# Altium PCB F1_MODULE.PcbDoc (part 1 of 2)
Units mm, origin at the board's own origin, x right, y up, seen from the top; angles counter-clockwise.
Board outline 39.37 x 52.07 mm, 4 copper layers (L1 (Sig), L2 (GND), L3 (PWR), L4 (Sig)), stack 1.57 mm thick; 89 components, 73 nets, 279 pads, 144 vias.
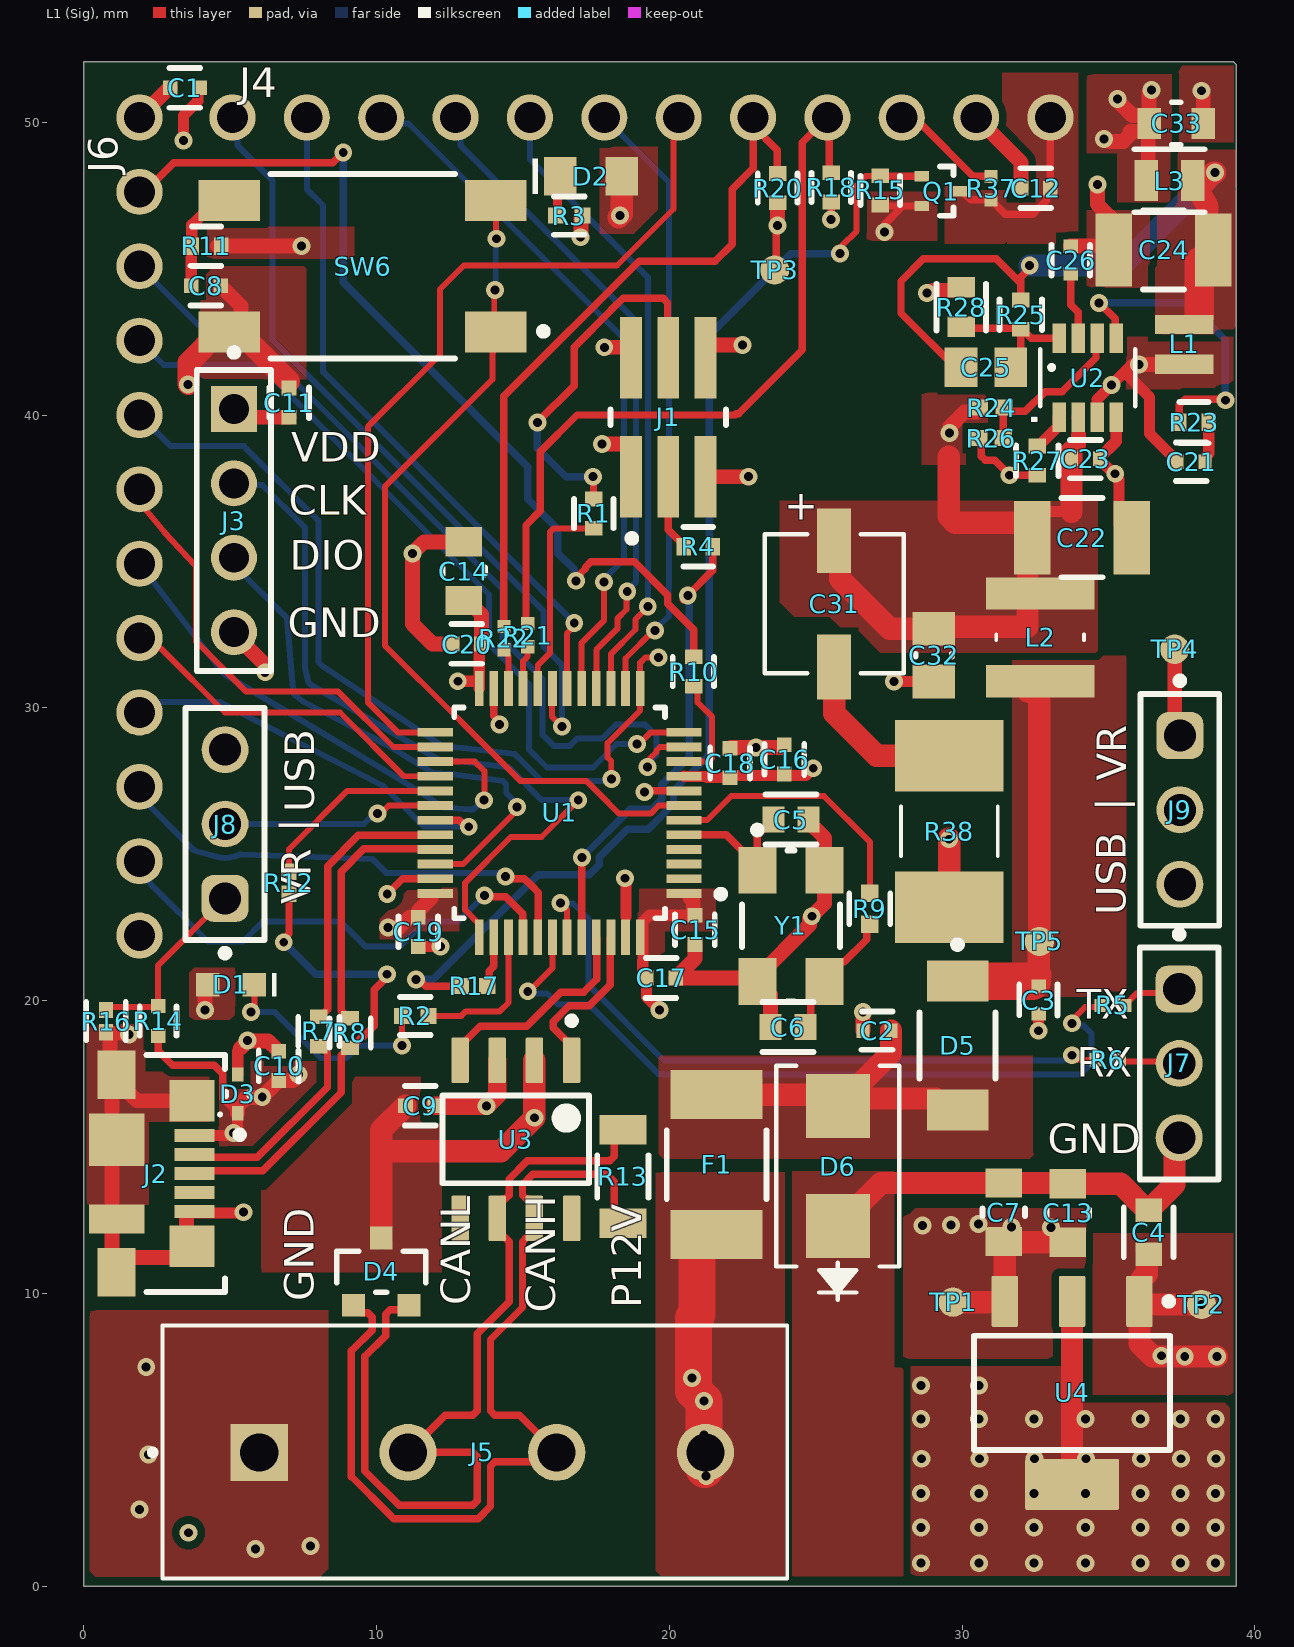
[diagram p0: L1 (Sig) view]
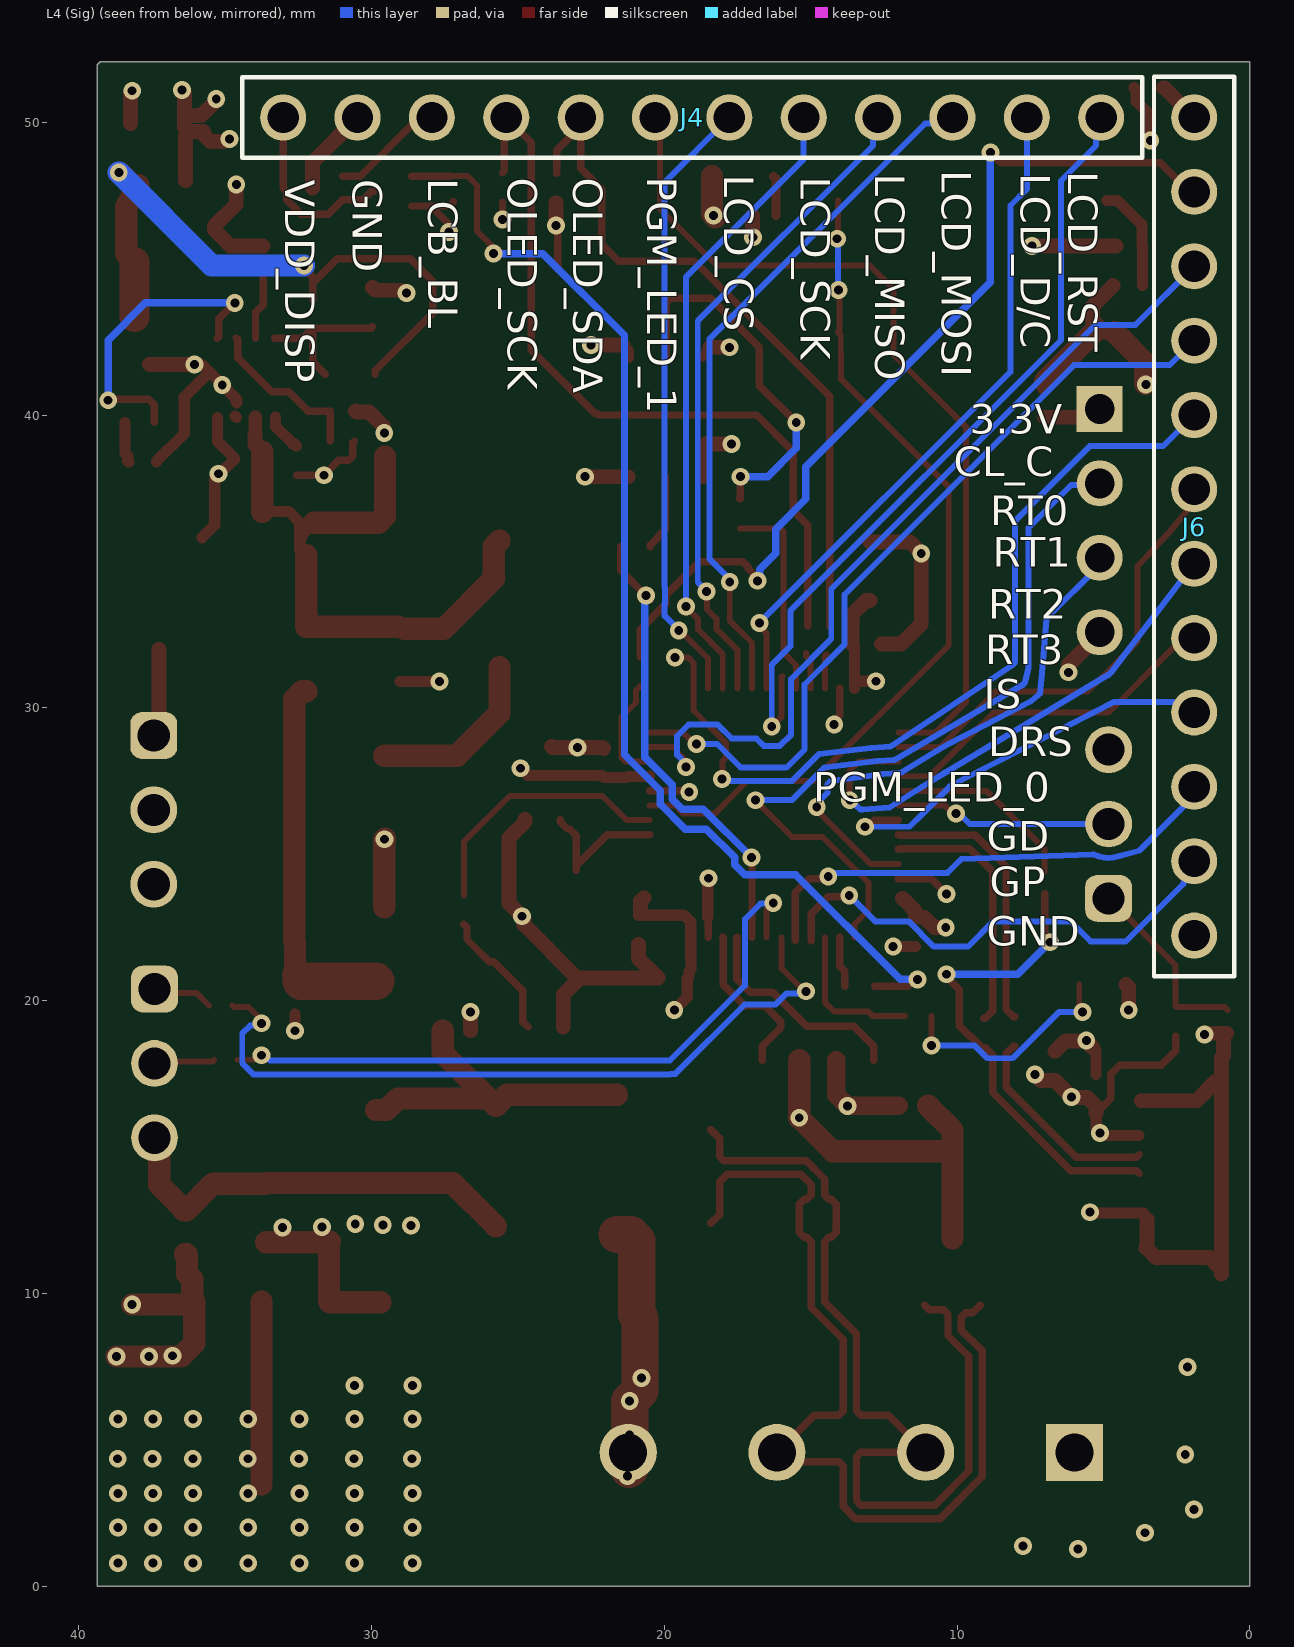
[diagram p1: L4 (Sig) view, seen from below]
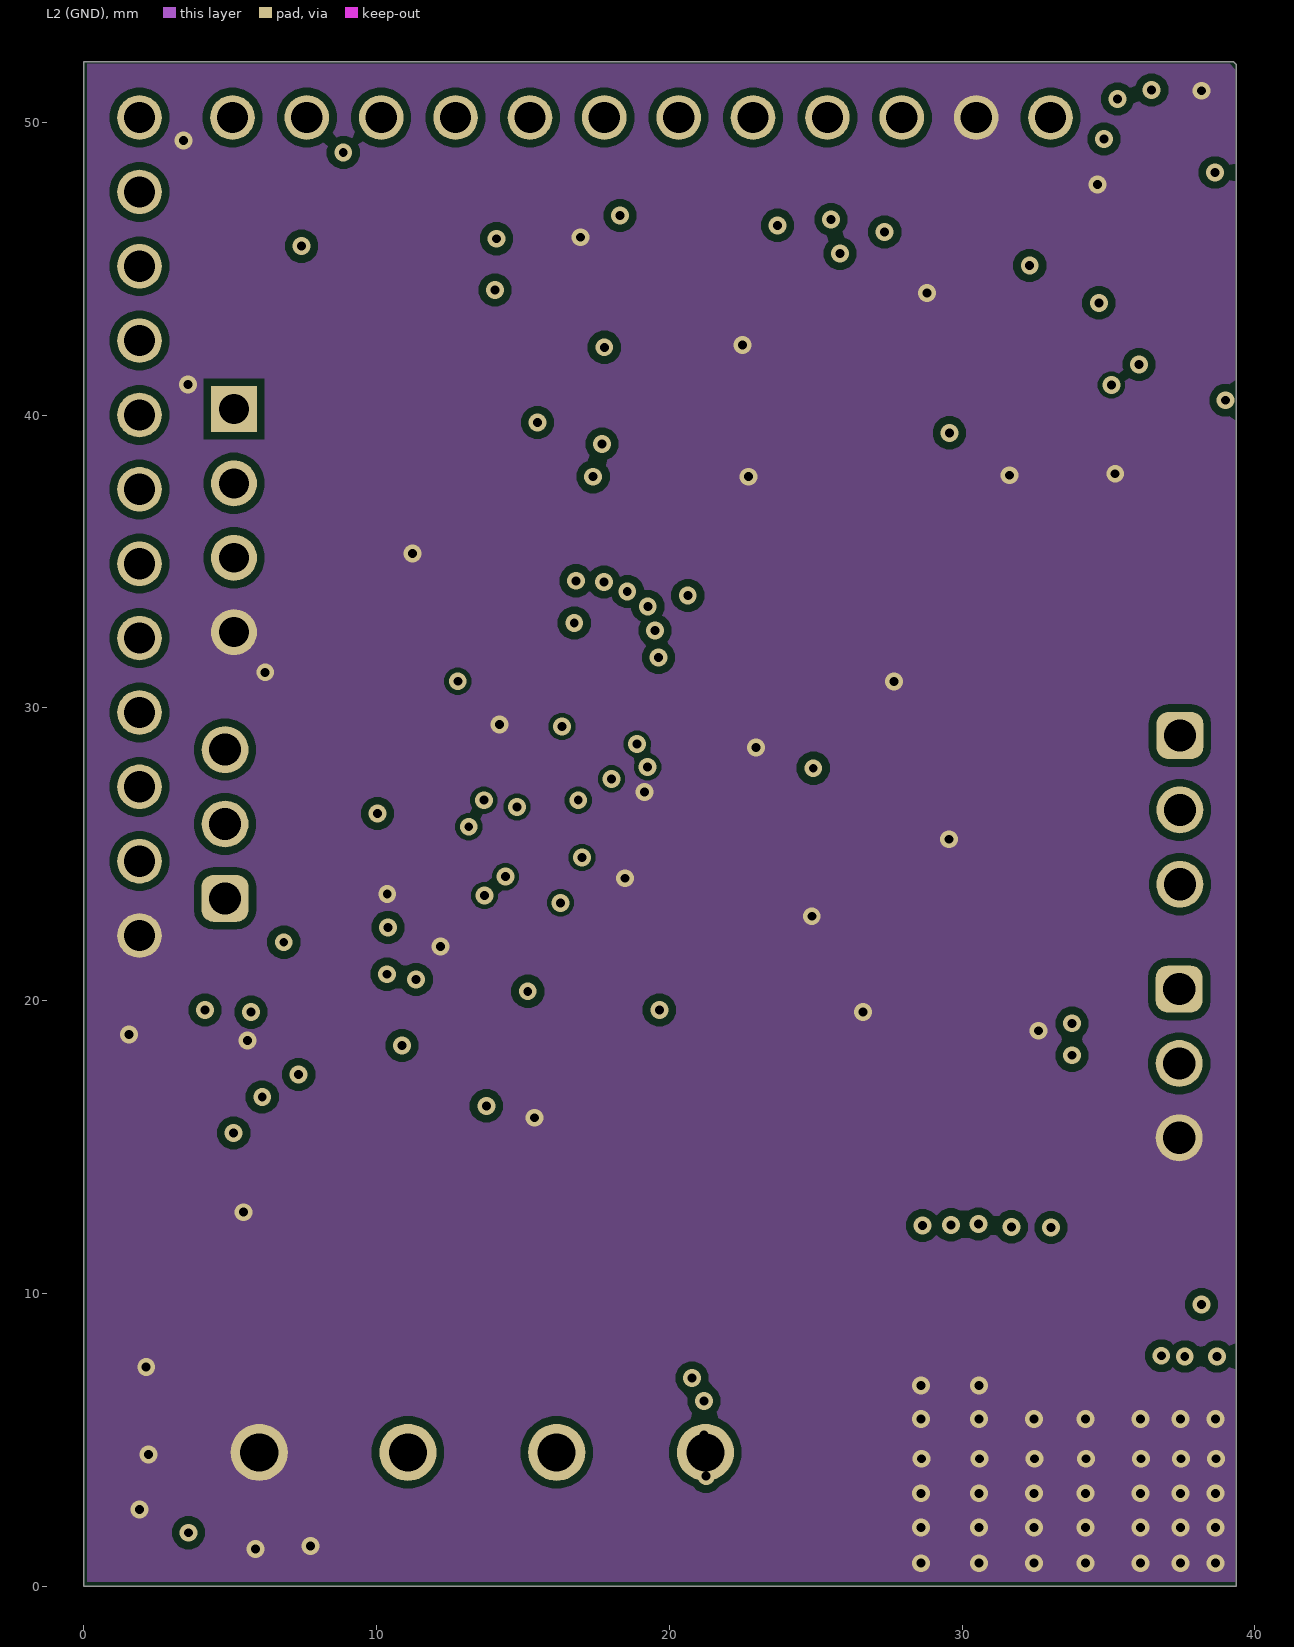
[diagram p2: L2 (GND)]
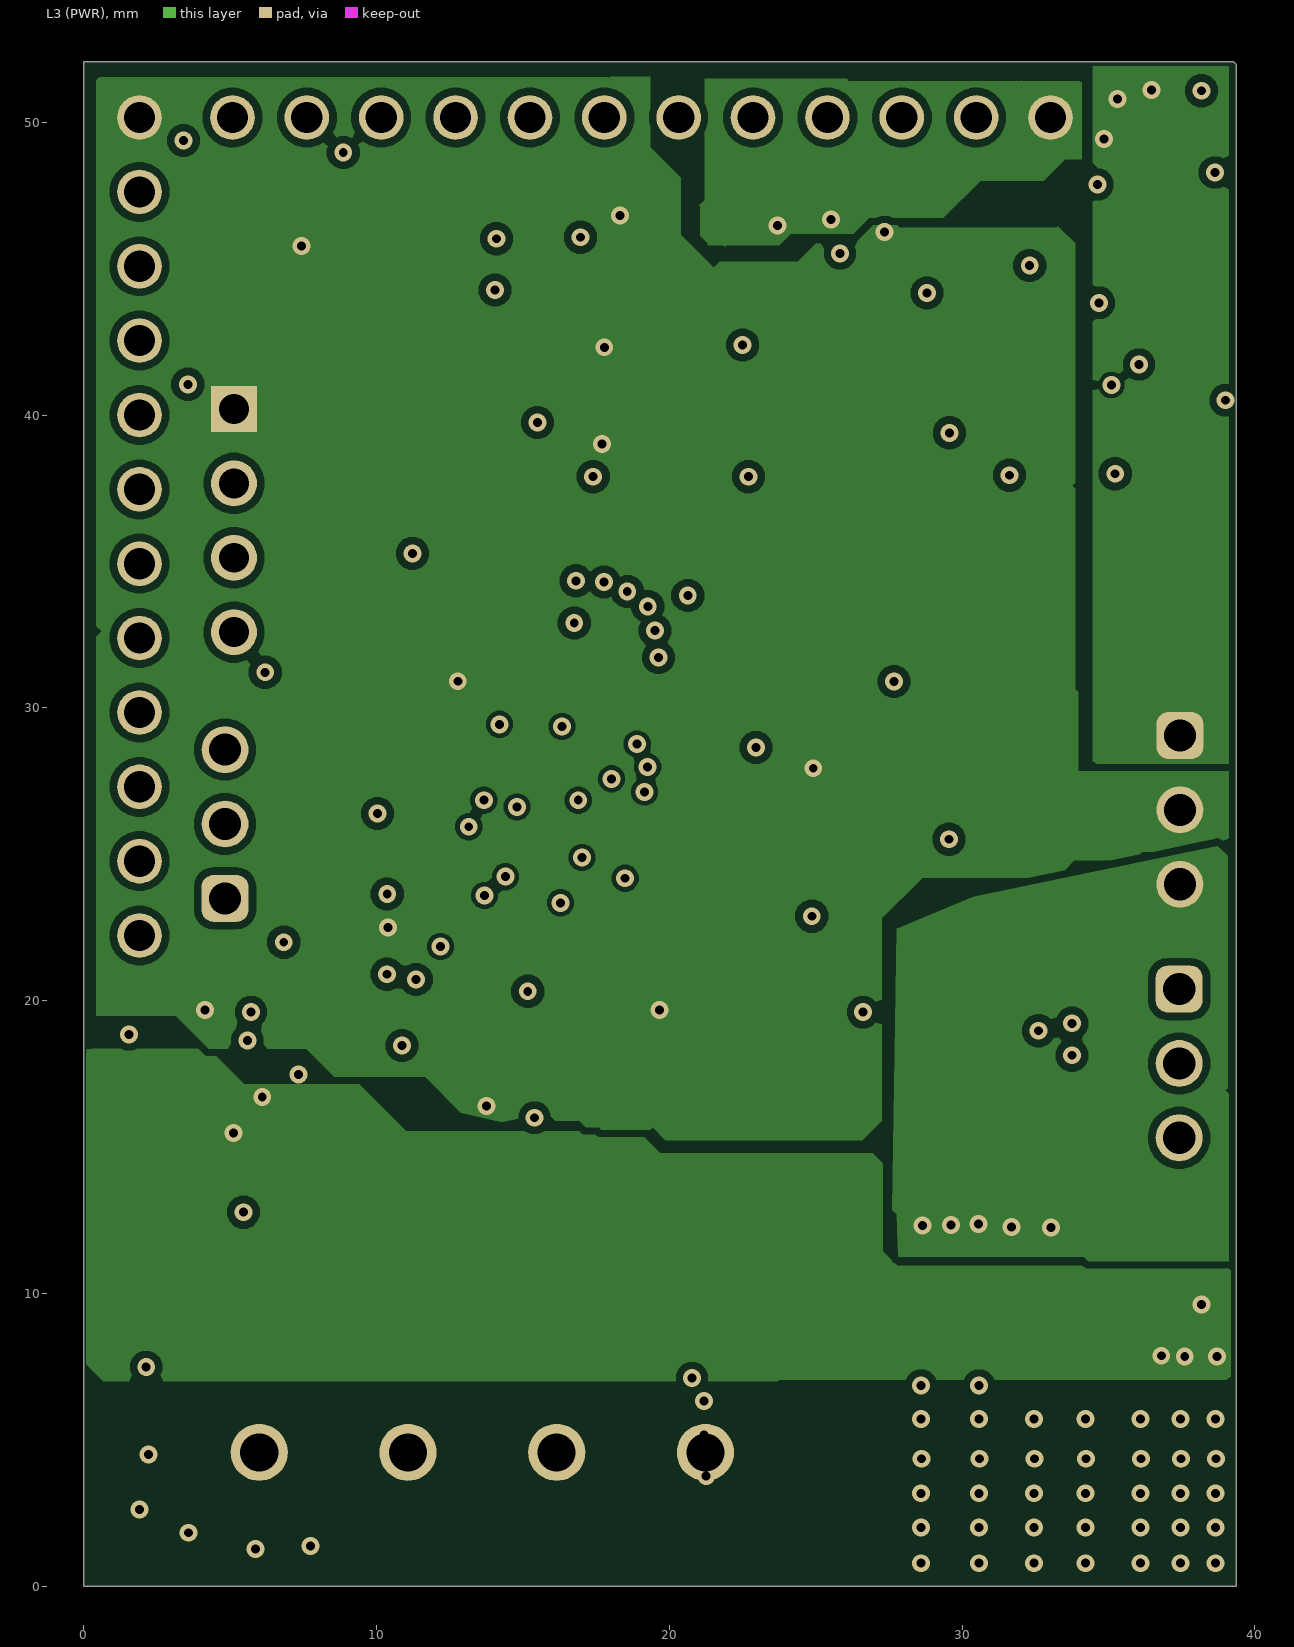
[diagram p3: L3 (PWR)]
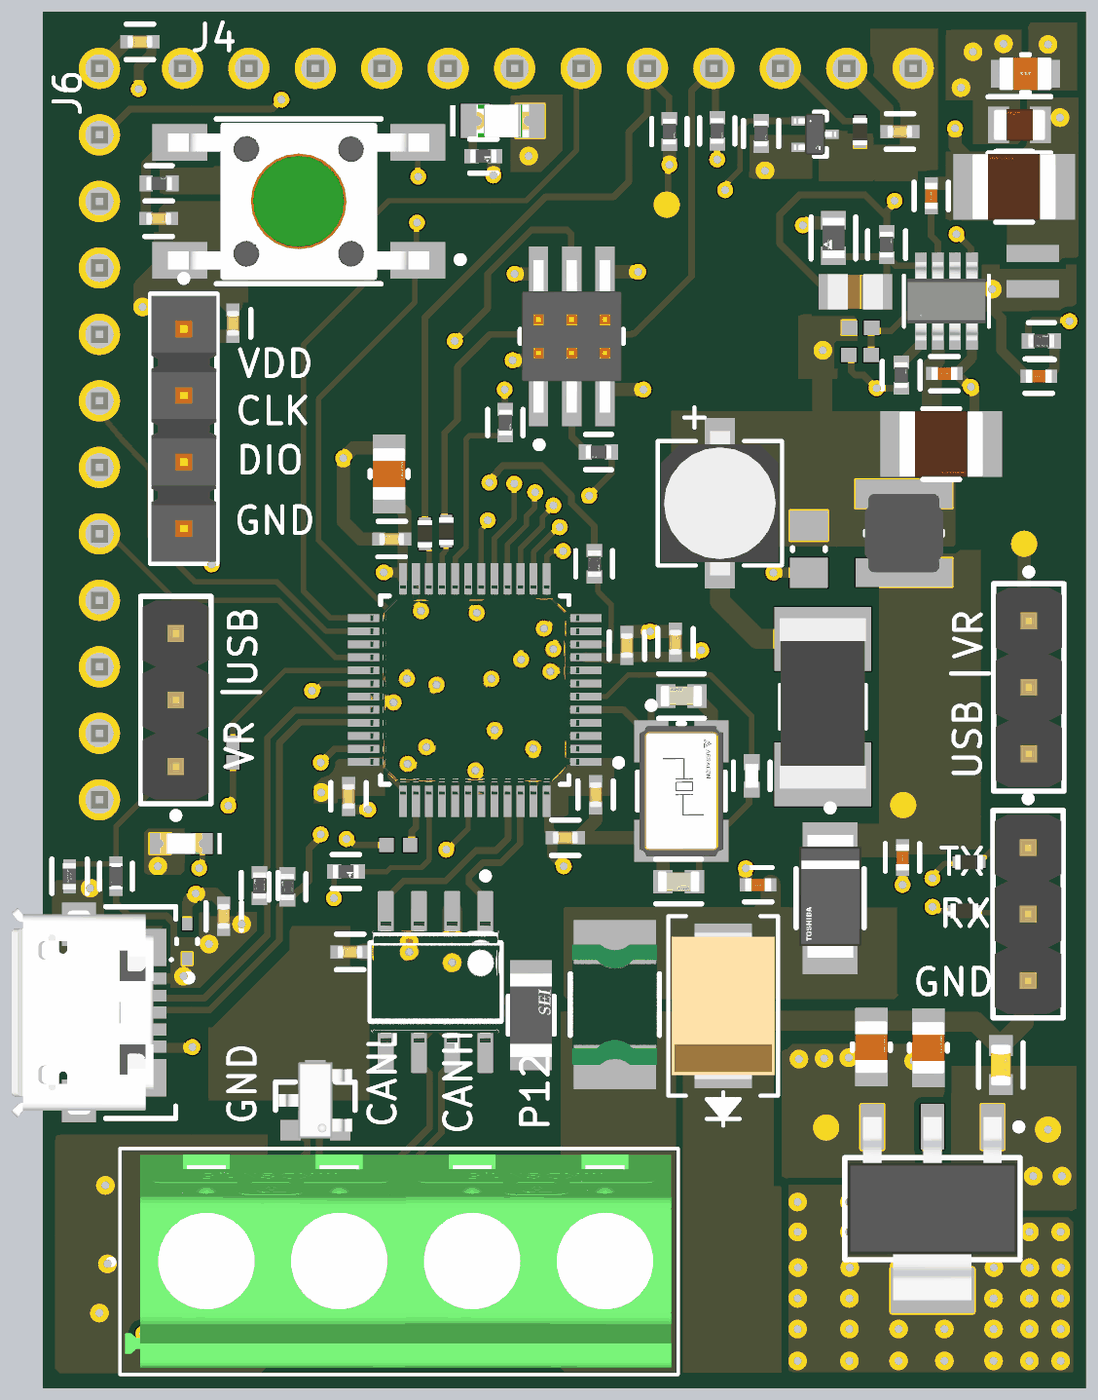
[diagram p5: 3D render of the assembled board from above, using the file's embedded part models]

## Layer stack, top to bottom
Top Solder: solder mask 0.0254, SM-001, Dk 4
L1 (Sig): signal copper 0.035
Dielectric 1: prepreg 0.2, PP-017, Dk 4.6
L2 (GND): signal copper 0.0175
Dielectric 3: core 1.065, Core-039, Dk 4.6
L3 (PWR): signal copper 0.0175
Dielectric 5: prepreg 0.2, PP-017, Dk 4.6
L4 (Sig): signal copper 0.035
Bottom Solder: solder mask 0.0254, SM-001, Dk 4

## Board outline
0,0 39.37,0 39.37,51.968 39.268,52.07 0,52.07

## Design rules (kind name [scope] priority, off if disabled: settings)
Clearance SMALLER [WithinRoom('STM32') OR WithinRoom('USB')OR WithinRoom('VR') OR WithinRoom('VR')] p1: gap=0.152 ignorepadtopadclearanceinfootprint=FALSE
Clearance [All] p2: gap=0.254 ignorepadtopadclearanceinfootprint=FALSE except(0.203: Track-Track SMDPad-SMDPad)
DiffPairsRouting [All] p1: maxlimit=0.203 minlimit=0.127 mostfreqgap=0.203 toplayer_mingap=0.203 toplayer_minwidth=0.254 toplayer_maxwidth=0.254 toplayer_prefwidth=0.254 bottomlayer_mingap=0.203 bottomlayer_minwidth=0.254 bottomlayer_maxwidth=0.254 bottomlayer_prefwidth=0.254 impedanceprofiledriven=TRUE impedanceprofileid={0BED0062-9A69-4E5F-824C-744D6F21F81E} impedanceprofilevalue=90.000000 maxuncoupledlength=12.7
PlaneConnect [All] p1: pad.planeconnectstyle=Relief pad.reliefexpansion=0.508 pad.reliefentries=4 pad.reliefconductorwidth=0.508 pad.reliefairgap=0.254 via.planeconnectstyle=Direct via.reliefexpansion=0.508 via.reliefentries=4 via.reliefconductorwidth=0.254 via.reliefairgap=0.254
PolygonConnect [All] p1: connectstyle=Direct reliefconductorwidth=0.254 reliefentries=4 polygonreliefangle="90 Angle" airgapwidth=0.254
RoomDefinition VR [False vs False] p1: confinementstyle=ConfineIn formatcopy=TRUE lockcomponents=FALSE outline 32.766,43.256 35.814,43.256 35.814,39.319 32.766,39.319
RoomDefinition USB [False vs False] p2: confinementstyle=ConfineIn formatcopy=TRUE lockcomponents=FALSE outline 2.007,17.577 4.928,17.577 4.928,10.617 2.007,10.617
RoomDefinition STM32 [False vs False] p3: confinementstyle=ConfineIn formatcopy=TRUE lockcomponents=FALSE outline 11.176,31.492 21.289,31.492 21.289,20.899 11.176,20.899
RoomDefinition [False vs False] p4: confinementstyle=ConfineIn formatcopy=TRUE lockcomponents=FALSE outline 11.024,31.445 10.82,31.445 10.82,31.471 11.024,31.471
RoutingVias [All] p1: holewidth=0.305 width=0.61 viastyle="Through Hole" minholewidth=0.305 minwidth=0.61 maxholewidth=0.305 maxwidth=0.61
SolderMaskExpansion [All] p1: expansion=0.051 istentingtop=FALSE
SupplyNets "Schematic Supply Nets_9" [InNet('P3V3_VR')] p1: voltage=0.000
SupplyNets "Schematic Supply Nets_8" [InNet('P3V3_1')] p2: voltage=0.000
SupplyNets "Schematic Supply Nets_1" [InNet('P3V3_LDO')] p3: voltage=0.000
SupplyNets "Schematic Supply Nets_7" [InNet('GND')] p4: voltage=0.000
SupplyNets "Schematic Supply Nets_6" [InNet('P12V')] p5: voltage=0.000
SupplyNets "Schematic Supply Nets_5" [InNet('VDD_DISPLAY')] p6: voltage=0.000
SupplyNets "Schematic Supply Nets_4" [InNet('VDD')] p7: voltage=0.000
SupplyNets "Schematic Supply Nets_2" [InNet('5V_USB')] p8: voltage=0.000
SupplyNets "Schematic Supply Nets" [InNet('P12V_PROTECTED')] p9: voltage=0.000
Width [All] p1: maxlimit=2.54 minlimit=0.203 preferedwidth=0.254 midlayer1_maxwidth=0.254 midlayer2_maxwidth=0.254 minimp=50.000000 maximp=50.000000 favimp=50.000000
28 further rules are at their usual default settings.

## Classes and differential pairs
differential pair class "DIFF USB": USB USB_R
differential pair CAN: +CAN_H -CAN_L
differential pair USB: +USB_P -USB_N
differential pair USB_R: +USB_R_P -USB_R_N
differential pair CAN_D: +CAN_D_P -CAN_D_N

## Components (designator, comment, footprint, x,y, rotation, side; value= is the part's Value field where it differs from the comment)
C1 "CC0402KRX7R7BB104" FP-CC0402-MFG 3.454,51.181 r0 top value="100 nF"
C2 "TMK105B7104KVHF" FP-0402-L_1_0_0_05-W_0_5-MFG 27.094,18.974 r180 top
C3 "TMK105B7104KVHF" FP-0402-L_1_0_0_05-W_0_5-MFG 32.614,20.023 r270 top
C4 "CC0603KRX5R7BB475" FP-CC0603-DA-MFG 36.373,12.09 r90 top value="4.7 uF"
C5 "C0603C300F3HACAUTO" FP-C0603C-CF-MFG 24.155,26.187 r0 top value="30 pF"
C6 "C0603C300F3HACAUTO" FP-C0603C-CF-MFG 24.054,19.101 r180 top value="30 pF"
C7 "EMK212BB7106KG-T" FP-0805-L_2_0_0_2-W_1_25-MFG 31.42,12.776 r90 top
C8 "CC0402KRX7R7BB104" FP-CC0402-MFG 4.174,44.425 r0 top value="100 nF"
C9 "CC0402KRX7R7BB104" FP-CC0402-MFG 11.489,16.408 r180 top value="100 nF"
C10 "CC0402KRX7R7BB104" FP-CC0402-MFG 6.655,17.772 r90 top value="100 nF"
C11 "CC0402KRX7R7BB104" FP-CC0402-MFG 7.01,40.429 r90 top value="100 nF"
C12 "CC0402KRX7R7BB104" FP-CC0402-MFG 32.512,47.752 r180 top value="100 nF"
C13 "EMK212BB7106KG-T" FP-0805-L_2_0_0_2-W_1_25-MFG 33.604,12.751 r90 top
C14 "EMK212BB7106KG-T" FP-0805-L_2_0_0_2-W_1_25-MFG 12.979,34.671 r90 top
C15 "CC0402KRX7R7BB104" FP-CC0402-MFG 20.879,22.42 r270 top value="100 nF"
C16 "CC0402KRX7R7BB104" FP-CC0402-MFG 23.927,28.245 r90 top value="100 nF"
C17 "CC0402KRX7R7BB104" FP-CC0402-MFG 19.718,20.777 r0 top value="100 nF"
C18 "CC0402KRX7R7BB104" FP-CC0402-MFG 22.073,28.118 r90 top value="100 nF"
C19 "CC0402KRX7R7BB104" FP-CC0402-MFG 11.43,22.352 r270 top value="100 nF"
C20 "CC0402KRX7R7BB104" FP-CC0402-MFG 13.081,32.182 r180 top value="100 nF"
C21 "TMK105B7104KVHF" FP-0402-L_1_0_0_05-W_0_5-MFG 37.821,38.405 r180 top
C22 "TMK325B7226KMHP" FP-1210-L_3_2_0_3-W_2_5_0-MFG 34.091,35.814 r0 top
C23 "TMK105B7104KVHF" FP-0402-L_1_0_0_05-W_0_5-MFG 34.214,38.506 r0 top
C24 "TMK325B7226KMHP" FP-1210-L_3_2_0_3-W_2_5_0-MFG 36.881,45.644 r180 top
C25 "0805YA220K4T2A" CAP_0805 30.81,41.631 r180 top value=22pF
C26 "TMK105B7104KVHF" FP-0402-L_1_0_0_05-W_0_5-MFG 33.706,45.296 r90 top
C31 "EEE-1HA2R2SR" CAP_EEE_B_PAN 25.629,33.553 r270 top value=2.2µF
C32 "C0805C394K5RACTU" CAPC0805(2012)110_N 29.032,31.801 r90 top value=390nF
C33 "C2012X5R1E156M125AC" FP-C2012-125-0_2-MFG 37.313,49.962 r0 top
D1 "150060VS75000" WL-SMCW_0603_150060xx75000 5.029,20.549 r180 top
D2 "150080RS75000" WL-SMCW_0805_150080xx75000 17.323,48.158 r0 top
D3 "ESD5Z5.0T1G" ONSC-SOD-523-2-502-01_V 5.258,16.815 r90 top
D4 "SM712-02HTG" FP-SM712-MFG 10.16,10.744 r90 top
D5 "CMS06(TE12L,Q,M)" FP-M-FLAT-MFG 29.845,18.466 r90 top
D6 "SMBJ17CA" SMBJSeries_LTF 25.756,14.351 r90 top
F1 "MINISMDC110F/24-2" FP-MINISMDC110F-24-2-MFG 21.615,14.402 r90 top value=0.06-0.18Ω
J1 "FTSH-103-01-F-DV-TR" FP-FTSH-103-01-F-DV-TR-MFG 19.964,39.929 r0 top
J2 "473460001" FP-473460001-MFG 1.473,14.097 r270 top
J3 "HTSW-104-07-G-S" FP-HTSW-104-07-G-S-MFG 5.131,36.398 r270 top
J4 "22-28-4121" "12 POS_2.54MM_MOLEX" 33.02,50.165 r0 bottom
J5 "1729144" PHOENIX_1729144 3.454,0.522 r0 top locked
J6 "22-28-4121" "12 POS_2.54MM_MOLEX" 1.905,50.165 r90 bottom locked
J7 "61300311121" 61300311121 37.414,17.856 r270 top locked
J8 "61300311121" 61300311121 4.826,26.035 r90 top locked
J9 "61300311121" 61300311121 37.44,26.518 r270 top locked
L1 "MDMK2020T1R0MMV" IND_MDMK2020T1R0MM_TAY 37.592,42.418 r270 top value=1µH
L2 "SRN3010C-8R2M" IND_SRN3010C-8R2M 32.664,32.41 r90 top value=8.2µH
L3 "DFE201210U-R33M=P2" FP-DFE201210U-MFG 37.084,48.006 r180 top
Q1 "SI1013R-T1-GE3" FP-C15-1445-MFG 29.271,47.65 r0 top
R1 "RC0402JR-0710KL" FP-RC0402-0_4-MFG 17.424,36.635 r270 top
R2 "MCS0402MC1000FE000" FP-MCS0402-MFG 11.328,19.482 r0 top
R3 "MCS0402MC1000FE000" FP-MCS0402-MFG 16.586,46.812 r0 top
R4 "RC0402JR-0710KL" FP-RC0402-0_4-MFG 20.988,35.509 r180 top
R5 "ERJ2GE0R00X" RESC1005X40X25LL05T05 35.154,19.837 r180 top
R6 "ERJ2GE0R00X" RESC1005X40X25LL05T05 34.976,17.983 r180 top
R7 "RT0402FRE0720RL" FP-RT0402-MFG 8.026,18.948 r90 top value=20Ω